# Altium PCB Discharge_B2.PcbDoc (part 2 of 2)
Units mm, origin at the board's own origin, x right, y up, seen from the top; angles counter-clockwise.
Board outline 144.02 x 78.36 mm, 4 copper layers (Top Layer, GND, PWR, Bottom Layer), stack 1.369 mm thick; 146 components, 95 nets, 476 pads, 394 vias.
Unrouted connection lines stored in the file: 8.
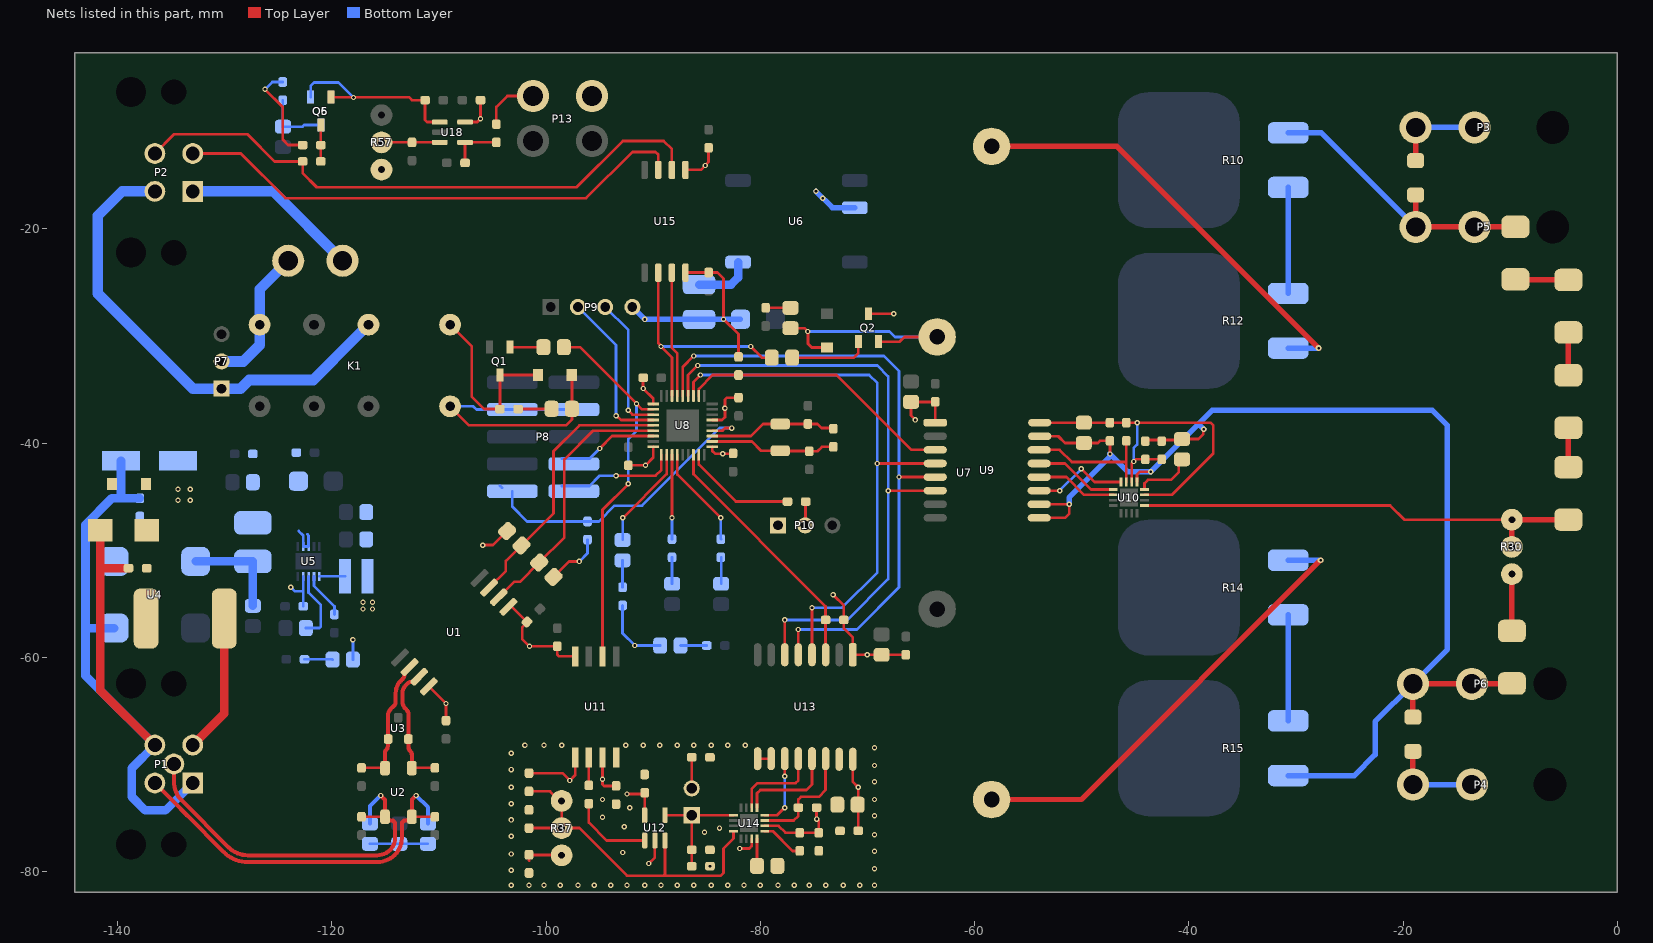
[diagram p4: the nets of this part, all layers, seen from the top]

## Via types
v1: diameter 0.5, hole 0.25, Top Layer to Bottom Layer, 392 vias
v2: diameter 0.55, hole 0.25, Top Layer to Bottom Layer, 2 vias

## Nets (pads, with @x,y where several pads share a name; then routed paths per layer and width w, separated by ;. In a path a pad name is that pad's centre, name@x,y a point inside that pad or via, vN(x,y) a via of type N, cw(c..) or ccw(c..) an arc to the next point about the centre after c; other vN are vias at no path point) (continued)
3V3: C2.2 C21.2 C22.2 C23.2 C24.2 C25.2 C30.1 C31.1 C35.2 C42.1 C43.1 C48.2 D5.A D6.A D7.K K1.1 L3.1 P8.7 P8.8 P9.4 P10.1 Q2.D R16.2 R19.2 R20.2 R21.2 R22.2 R23.2 U1.1 U8.1 U8.6 U8.19 U8.27 U9.1 U11.8 U13.1 U15.8 | length 108
  Top Layer w0.254: K1.1@-108.966,-36.576 -107.188,-38.354 -98.132,-38.354 -97.59,-37.812 D6.A@-97.59,-36.804 -97.59,-33.677 D7.K@-97.612,-33.655 ; v1(-105.918,-49.53) -104.958,-49.53 R20.2@-103.642,-48.213 ; U1.1@-103.526,-55.293 -103.481,-55.248 -103.239,-55.248 C2.2@-101.786,-56.701 -101.786,-56.768 -102.235,-57.217 -102.235,-58.293 v1(-101.551,-58.977) C35.2@-98.959,-58.977 -98.959,-59.769 -98.81,-59.918 U11.8@-97.282,-59.918 ; R19.2@-99.304,-52.498 -97.861,-51.054 v1(-96.901,-51.054) ; C25.2@-92.329,-42.086 v1(-90.727,-42.086) -89.999,-41.358 U8.27@-89.999,-40.354 ; C24.2@-90.949,-33.909 v1(-90.949,-34.908) -89.999,-35.858 U8.19@-89.999,-36.354 ; U15.8@-86.972,-24.081 C48.2@-84.836,-24.081 -83.996,-24.081 -83.439,-24.638 v1(-83.439,-28.448) -82.042,-29.845 R22.2@-82.042,-31.955 ; U8.6@-84.499,-37.854 -83.574,-37.854 -83.312,-37.592 v1(-83.312,-36.767) -83.312,-35.941 -83.136,-35.765 C22.2@-82.042,-35.765 ; U8.1@-84.497,-40.356 U8.1@-84.499,-40.354 -84.499,-40.723 -84.226,-40.996 v1(-83.528,-40.996) C23.2@-82.829,-40.996 ; v1(-73.215,-54.165) -72.214,-55.167 R23.2@-72.214,-56.515 -72.214,-57.326 -71.374,-58.166 U13.1@-71.374,-59.766 v1(-70.027,-59.766) C43.1@-68.681,-59.766 C42.1@-66.421,-59.766 ; Q2.D@-69.911,-27.94 v1(-67.564,-27.94) ; v1(-65.532,-37.846) -65.938,-37.44 C31.1@-65.938,-36.165 C30.1@-63.678,-36.165 U9.1@-63.678,-38.1
  Bottom Layer w0.254: K1.1@-108.966,-36.576 -106.807,-36.576 -106.506,-36.877 P8.7@-103.161,-36.877 P8.8@-97.411,-36.877 ; v1(-96.901,-51.054) -96.139,-50.292 R21.2@-96.139,-49.022 ; R16.2@-92.863,-55.167 -92.863,-57.759 v1(-91.72,-58.902) D5.A@-89.354,-58.902 ; L3.1@-85.725,-28.464 L3.1@-85.717,-28.456 ; C21.2@-81.855,-28.456 C21.2@-81.847,-28.448
  Bottom Layer w0.5: P9.4@-91.948,-27.305 v1(-90.789,-28.464) L3.1@-85.725,-28.464 ; L3.1@-85.717,-28.456 C21.2@-81.855,-28.456
5kW: P2.3 R60.1 U15.2 | length 55.7
  Top Layer w0.254: P2.3@-136.525,-12.97 -134.731,-11.176 -127.889,-11.176 -125.349,-13.716 R60.1@-122.731,-13.716 -122.731,-14.81 -121.412,-16.129 -97.155,-16.129 -92.837,-11.811 -89.027,-11.811 -88.265,-12.573 U15.2@-88.265,-14.504
5V: C1.2 C17.2 C19.2 C20.2 C47.2 C56.2 D4.A L2.1 P13.2 R56.2 R57.1 R59.2 U1.8 U5.4 U6.2 U15.1 U18.5 | length 30.6
  Top Layer w0.254: v1(-126.238,-6.985) -124.587,-8.636 -124.587,-11.684 -124.079,-12.192 R59.2@-122.731,-12.192 ; U1.8@-110.95,-62.717 v1(-109.347,-64.321) C1.2@-109.347,-65.913 ; U18.5@-107.569,-10.038 -106.431,-10.038 v1(-106.123,-9.73) C56.2@-106.123,-8.001 ; U15.1@-86.995,-14.504 -85.564,-14.504 v1(-85.157,-14.097) -84.836,-13.776 C47.2@-84.836,-12.446
  Bottom Layer w0.254: v1(-126.238,-6.985) -125.554,-6.301 R56.2@-124.587,-6.301 ; v1(-123.825,-53.467) -123.445,-53.847 -122.674,-53.847 ; C17.2@-122.674,-55.245 -122.674,-53.847 ; U5.4@-122.674,-52.449 -122.674,-53.847 ; D4.A@-118.037,-60.224 v1(-118.037,-58.366)
  Bottom Layer w0.5: v1(-74.803,-16.51) -73.279,-18.034 U6.2@-71.181,-18.034
  other v1: -117.094,-55.499 -116.205,-55.499 -117.094,-54.864 -116.205,-54.864 -74.168,-17.145
BOOT0: P10.2 R24.1 | length 2.2
  Top Layer w0.254: P10.2@-75.819,-47.689 -75.795,-47.664 -75.795,-45.491 R24.1@-75.77,-45.466
CAN1_F_N: C5.2 U1.6 U2.3 U3.1 | length 12.3
  Top Layer w0.254: C5.2@-117.236,-70.32 U2.3@-115.059,-70.32
  Top Layer w0.381: U2.3@-115.037,-70.342 -115.037,-68.879 cw(c-114.74,-68.879) -114.95,-68.669 ccw(c-115.416,-68.203) -114.757,-68.203 U3.1@-114.757,-67.637 -114.757,-65.387 cw(c-114.064,-65.387) -114.554,-64.897 -114.226,-64.569 ccw(c-114.659,-64.135) -114.046,-64.135 -114.046,-63.337 cw(c-112.435,-63.337) -113.574,-62.198 -113.382,-62.006 ccw(c-113.766,-61.623) -113.224,-61.623 cw(c-112.682,-61.623) -113.065,-61.24 U1.6@-112.746,-60.921
CAN1_F_P: C6.2 U1.7 U2.4 U3.2 | length 11.8
  Top Layer w0.254: U2.4@-112.537,-70.342 -112.515,-70.32 C6.2@-110.378,-70.32
  Top Layer w0.381: U2.4@-112.537,-70.342 -112.537,-69.103 ccw(c-112.971,-69.103) -112.664,-68.796 cw(c-112.198,-68.33) -112.857,-68.33 U3.2@-112.857,-67.637 -112.857,-65.314 ccw(c-113.447,-65.314) -113.03,-64.897 -113.142,-64.785 cw(c-112.491,-64.135) -113.411,-64.135 -113.411,-63.34 cw(c-112.428,-63.34) -113.123,-62.645 -112.933,-62.455 cw(c-112.55,-62.839) -112.55,-62.297 ccw(c-112.55,-61.755) -112.167,-62.138 U1.7@-111.848,-61.819
CAN1_N: C3.2 P1.5 R4.1 U2.2 | length 36.4
  Top Layer w0.254: C3.2@-117.236,-74.892 U2.2@-115.037,-74.892
  Top Layer w0.381: P1.5@-134.755,-69.969 -134.755,-71.584 ccw(c-132.215,-71.584) -134.011,-73.38 -129.649,-77.742 ccw(c-127.853,-75.946) -127.853,-78.486 -115.78,-78.486 ccw(c-115.78,-76.752) -114.554,-77.978 ccw(c-115.639,-76.893) -114.105,-76.893 -114.105,-75.603 ccw(c-114.486,-75.603) -114.216,-75.334 ccw(c-114.486,-75.603) -114.486,-75.222 -114.554,-75.222 cw(c-114.554,-74.676) -114.94,-75.062 -114.985,-75.017 cw(c-114.86,-74.892) U2.2@-115.037,-74.892 -115.037,-73.304 v1(-115.443,-72.898)
  Bottom Layer w0.381: R4.1@-116.448,-75.517 -116.448,-73.903 v1(-115.443,-72.898)
CAN1_P: C4.2 P1.4 R3.2 U2.1 | length 37.2
  Top Layer w0.254: U2.1@-112.537,-74.892 C4.2@-110.378,-74.892
  Top Layer w0.381: P1.4@-136.525,-71.739 -134.698,-73.566 cw(c-134.967,-73.835) -134.695,-73.569 -133.547,-74.742 ccw(c-133.275,-74.475) -133.545,-74.744 -133.544,-74.745 -130.097,-78.192 ccw(c-127.854,-75.949) -127.854,-79.121 -115.779,-79.121 ccw(c-115.779,-76.755) -114.106,-78.428 -114.104,-78.426 ccw(c-115.636,-76.894) -113.47,-76.894 -113.47,-75.603 cw(c-113.089,-75.603) -113.358,-75.334 cw(c-113.089,-75.603) -113.089,-75.222 -113.02,-75.222 ccw(c-113.02,-74.676) -112.634,-75.062 -112.589,-75.017 ccw(c-112.714,-74.892) U2.1@-112.537,-74.892 -112.537,-73.294 v1(-112.141,-72.898)
  Bottom Layer w0.381: v1(-112.141,-72.898) -111.039,-74 R3.2@-111.039,-75.517
CAN_RX_INDC: R18.2 U8.31 | length 9.6
  Top Layer w0.254: U8.31@-87.749,-41.104 -87.749,-42.934 v1(-83.693,-46.99)
  Bottom Layer w0.254: v1(-83.693,-46.99) -83.693,-48.947 R18.2@-83.667,-48.973
CAN_TX_INDC: R17.2 U8.30 | length 7.9
  Top Layer w0.254: v1(-88.249,-46.99) U8.30@-88.249,-41.104
  Bottom Layer w0.254: R17.2@-88.249,-48.973 v1(-88.249,-46.99)
CLK_ADC: U13.13 U14.13 | length 9.2
  Top Layer w0.254: U14.13@-80.313,-74.041 -80.313,-72.693 -80.01,-72.39 -75.692,-72.39 -75.184,-71.882 U13.13@-75.184,-69.468
CLK_HV: U9.13 U10.13 | length 7.9
  Top Layer w0.254: U9.13@-53.976,-41.91 -51.562,-41.91 -49.133,-44.339 U10.13@-47.047,-44.339
CS_ADC: R39.1 U13.14 U14.11 | length 10.7
  Top Layer w0.254: U14.11@-79.613,-75.241 -76.892,-75.241 -76.454,-74.803 R39.1@-76.454,-74.041 -76.454,-73.279 -76.2,-73.025 -74.549,-73.025 -73.914,-72.39 U13.14@-73.914,-69.468
CS_HV: R32.1 U9.14 U10.11 | length 12.5
  Top Layer w0.254: U9.14@-53.976,-40.64 -52.07,-40.64 -50.927,-41.783 -45.91,-41.783 -45.847,-41.719 ; U10.11@-45.847,-43.639 -45.847,-41.719 ; R32.1@-45.847,-39.8 -45.847,-41.719
DISCHARGE_DISABLE: P2.2 U15.3 | length 48.5
  Top Layer w0.254: P2.2@-132.985,-12.97 -128.508,-12.97 -124.333,-17.145 -96.266,-17.145 -91.948,-12.827 -89.789,-12.827 -89.535,-13.081 U15.3@-89.535,-14.504
GL_IN: P2.1 P12.1@-118.999,-22.987 | length 16.7
  Bottom Layer w1: P2.1@-132.985,-16.51 -125.476,-16.51 P12.1@-118.999,-22.987
GL_INT: K1.9 P7.2 P12.1@-124.079,-22.987 | length 13.2
  Bottom Layer w1: P7.2@-130.302,-32.385 -128.27,-32.385 -126.746,-30.861 -126.746,-25.654 P12.1@-124.079,-22.987
GL_OUT: K1.13 P2.4 P7.1 | length 44.9
  Bottom Layer w1: P2.4@-136.525,-16.51 -139.573,-16.51 -141.859,-18.796 -141.859,-26.035 -132.969,-34.925 -128.524,-34.925 -127.715,-34.116 -121.746,-34.116 -117.809,-30.179 K1.13@-116.586,-28.956
GLV+: F1.1 P1.2 | length 13
  Top Layer w0.8: P1.2@-132.985,-68.199 -130.048,-65.262 F1.1@-130.048,-56.388
GLV-: C11.1 C12.1 C13.1 D3.K P1.1 P1.3 U4.4 | length 73.3
  Top Layer w0.8: D3.K@-141.617,-48.133 -141.617,-51.689 ; C11.1@-138.987,-51.689 -141.617,-51.689 ; P1.3@-136.525,-68.199 -141.617,-63.107 -141.617,-51.689
  Bottom Layer w0.8: U4.4@-140.335,-57.277 -143.002,-57.277 ; C13.1@-139.683,-41.656 -139.683,-45.163 ; C12.1@-137.922,-45.163 -139.683,-45.163 ; P1.1@-132.985,-71.739 -135.541,-74.295 -137.414,-74.295 -138.684,-73.025 -138.684,-70.358 P1.3@-136.525,-68.199 -143.002,-61.722 -143.002,-57.277 ; -143.002,-57.277 -143.002,-47.625 -140.54,-45.163 -139.683,-45.163
GND_PDOC: C36.1 C37.1 C38.1 C39.1 C40.2 C41.2 C44.1 C45.1 C46.1 R35.1 R38.1 U11.4 U12.2 U13.9 U13.10 U13.15 U14.9 | length 7
  Top Layer w0.254: v1(-90.424,-79.248) -89.85,-78.674 U12.2@-89.85,-77.8 ; U13.9@-80.264,-69.469 U13.10@-78.994,-69.468 ; U14.9@-79.613,-76.241 -78.826,-76.241 -76.991,-78.076 C45.1@-76.327,-78.076
  other v1: -103.251,-81.28 -101.6,-81.28 -100.203,-81.28 -98.679,-81.28 -97.028,-81.28 -95.504,-81.28 -93.98,-81.28 -92.456,-81.28 -90.805,-81.28 -89.281,-81.28 -87.757,-81.28 -86.233,-81.28 -84.582,-81.28 -83.058,-81.28 -81.534,-81.28 -80.01,-81.28 -78.359,-81.28 -76.835,-81.28 -75.438,-81.28 -73.914,-81.28 -72.263,-81.28 -70.739,-81.28 -69.342,-81.28 -103.251,-79.883 -69.342,-79.756 -103.251,-78.359 -92.837,-78.232 -69.342,-78.105 -103.251,-76.708 -69.342,-76.581 -85.217,-76.327 -83.82,-75.946 -92.71,-75.819 -103.251,-75.184 -94.742,-74.93 -69.342,-74.803 -92.202,-74.041 -103.251,-73.66 -94.742,-73.279 -69.342,-73.279 -103.251,-72.136 -69.342,-71.628 -103.251,-70.485 -69.342,-70.104 -103.251,-68.961 -69.342,-68.453 -101.981,-68.199 -100.203,-68.199 -98.552,-68.199 -92.583,-68.199 -90.932,-68.199 -89.408,-68.199 -87.757,-68.199 -86.233,-68.199 -84.582,-68.199 -83.058,-68.199 -81.407,-68.199
HB: D10.K U8.29 | length 9.6
  Top Layer w0.254: v1(-92.837,-46.99) -88.749,-42.902 U8.29@-88.749,-41.104
  Bottom Layer w0.254: D10.K@-92.837,-49.025 v1(-92.837,-46.99)
HIGH_SENSE: P13.1 R58.1 | length 5.5
  Top Layer w0.254: R58.1@-104.648,-10.238 -104.648,-8.636 -103.623,-7.611 P13.1@-101.219,-7.611
"HV MC-": C28.2 C29.2 C32.1 C33.1 C34.1 P6.1 P6.2 R2.2 R15.2 R31.1 U9.9 U9.10 U9.15 U10.9 | length 119.9
  Top Layer w0.254: U9.10@-53.976,-45.72 v1(-51.181,-45.72) -51.181,-46.609 -51.562,-46.99 U9.9@-53.975,-46.99 ; U9.15@-53.925,-39.37 -52.197,-39.37 -51.567,-40 C29.2@-49.81,-40 -48.509,-40 -48.309,-39.8 C28.2@-47.371,-39.8 v1(-47.371,-41.021) ; U10.9@-44.847,-43.639 -44.845,-43.637 -44.845,-42.94 -44.577,-42.672 v1(-43.561,-42.672) ; C34.1@-44.069,-39.829 -43.969,-39.729 -42.545,-39.729 -40.74,-39.729 C32.1@-40.64,-39.629 -39.121,-39.629 -38.655,-39.163 -38.655,-38.778 v1(-38.608,-38.731) ; R31.1@-9.891,-62.484 R31.1@-9.855,-62.448
  Top Layer w0.508: R2.2@-19.089,-65.583 P6.2@-19.089,-62.484 P6.1@-13.589,-62.484 R31.1@-9.891,-62.484
  Bottom Layer w0.508: v1(-51.181,-45.72) -51.181,-45.085 -47.371,-41.275 v1(-47.371,-41.021) -45.72,-42.672 v1(-43.561,-42.672) -39.114,-38.225 ; v1(-38.608,-38.731) -39.114,-38.225 ; R15.2@-30.737,-71.042 -24.56,-71.042 -22.606,-69.088 -22.606,-66.001 P6.2@-19.089,-62.484 -15.875,-59.27 -15.875,-38.354 -17.272,-36.957 -37.846,-36.957 -38.608,-37.719 -39.114,-38.225
HV_MC+: P5.1 P5.2 R1.2 R10.1 R26.2 | length 27.8
  Top Layer w0.508: R1.2@-18.835,-16.84 P5.2@-18.835,-19.829 P5.1@-13.335,-19.829 R26.2@-9.525,-19.829
  Bottom Layer w0.508: R10.1@-30.737,-11.043 -27.621,-11.043 P5.2@-18.835,-19.829
HVVDD: C28.1 C29.1 C33.2 C34.2 R32.2 U9.16 U10.7 U10.10 | length 35.4
  Top Layer w0.254: U9.16@-53.925,-38.1 C29.1@-49.81,-38.1 C28.1@-47.371,-38.1 R32.2@-45.847,-38.1 -37.973,-38.1 -37.719,-38.354 -37.719,-40.954 -41.604,-44.839 U10.7@-44.147,-44.839 ; U10.10@-45.347,-43.639 -45.347,-41.918 v1(-45.153,-41.724) -44.958,-41.529 C34.2@-44.069,-41.529 C33.2@-42.545,-41.529
  Bottom Layer w0.254: v1(-45.153,-41.724) -45.153,-40.454 -44.831,-40.132 v1(-44.831,-38.1) v1@-44.831,-38.065
MISO_ADC: U13.11 U14.12 | length 6.8
  Top Layer w0.254: U14.12@-79.613,-74.741 -78.424,-74.741 v1(-77.724,-74.041) ; v1(-77.724,-71.12) U13.11@-77.724,-69.468
  Bottom Layer w0.254: v1(-77.724,-74.041) v1(-77.724,-71.12)
MISO_HV: U9.11 U10.12 | length 9
  Top Layer w0.254: U9.11@-53.976,-44.45 v1(-52.07,-44.45) ; v1(-50.038,-42.418) -48.817,-43.639 U10.12@-46.347,-43.639
  Bottom Layer w0.254: v1(-52.07,-44.45) v1(-50.038,-42.418)
MOSI_ADC: U13.12 U14.14 | length 8.5
  Top Layer w0.254: U14.14@-80.813,-74.041 -80.813,-72.304 -80.264,-71.755 -76.708,-71.755 -76.454,-71.501 U13.12@-76.454,-69.468
MOSI_HV: U9.12 U10.14 | length 7.6
  Top Layer w0.254: U9.12@-53.976,-43.18 -51.435,-43.18 -49.776,-44.839 U10.14@-47.047,-44.839
NetC7_2: C7.2 R3.1 R4.2 | length 5.4
  Bottom Layer w0.254: R4.2@-116.448,-77.417 C7.2@-113.712,-77.417 R3.1@-111.039,-77.417
NetC8_2: C8.2 L1.2 U4.2 | length 9.5
  Bottom Layer w0.8: U4.2@-132.715,-51.057 L1.2@-127.381,-51.057 C8.2@-127.381,-55.196
NetC11_2: C11.2 D1.A D3.A F1.2 | length 0.1
  Top Layer w0.254: D1.A@-137.348,-43.876 D1.A@-137.287,-43.815
NetC16_2: C16.2 U5.3 | length 6.6
  Bottom Layer w0.254: C16.2@-122.428,-57.277 -121.18,-57.277 -121.031,-57.128 -121.031,-55.118 -122.174,-53.975 U5.3@-122.174,-52.449
NetC18_2: C18.2 U5.2 | length 4.4
  Bottom Layer w0.254: U5.2@-121.674,-52.449 -121.674,-53.332 -119.761,-55.245 C18.2@-119.761,-56.007
NetC26_2: C26.2 R25.1 U8.2 X1.1 | length 11.8
  Top Layer w0.254: U8.2@-84.499,-39.854 -80.796,-39.854 -79.929,-40.721 X1.1@-78.149,-40.721 -78.126,-40.744 -75.461,-40.744 C26.2@-75.438,-40.767 -74.676,-40.767 -74.269,-40.36 R25.1@-73.196,-40.36
NetC27_2: C27.2 R25.2 U8.3 X1.2 | length 12
  Top Layer w0.254: U8.3@-84.499,-39.354 -80.883,-39.354 -79.75,-38.221 X1.2@-78.149,-38.221 C27.2@-75.565,-38.221 -74.682,-38.221 -74.295,-38.608 -73.248,-38.608 R25.2@-73.196,-38.66
NetC32_2: C32.2 U10.8 | length 5.5
  Top Layer w0.254: U10.8@-44.147,-44.339 -44.147,-43.766 -43.815,-43.434 -41.668,-43.434 -40.938,-42.704 -40.938,-41.827 C32.2@-40.64,-41.529
NetC36_2: C36.2 P11.2 R33.1 U12.4 U14.1 | length 11.1
  Top Layer w0.254: U12.4@-88.9,-74.741 P11.2@-86.409,-74.741 ; R33.1@-86.409,-79.502 C36.2@-86.409,-77.978 P11.2@-86.409,-74.741 ; U14.1@-82.513,-74.741 P11.2@-86.409,-74.741
NetC39_2: C39.2 R36.1 R37.1 R37.2 U12.3 U14.4 | length 33.2
  Top Layer w0.254: C39.2@-101.6,-75.946 R37.2@-98.552,-75.946 ; R36.1@-101.6,-72.517 -99.639,-72.517 R37.1@-98.75,-73.406 ; R37.1@-98.75,-73.914 -98.552,-73.914 R37.2@-98.552,-75.946 ; U12.3@-88.9,-77.103 -88.9,-80.242 -89.049,-80.391 ; U14.4@-82.513,-76.241 -82.513,-76.925 -83.439,-77.851 -83.439,-80.137 -83.693,-80.391 -89.049,-80.391 ; R37.2@-98.552,-75.946 -96.901,-75.946 -92.456,-80.391 -89.049,-80.391
NetC44_2: C44.2 U14.8 | length 2.5
  Top Layer w0.254: C44.2@-80.313,-79.476 U14.8@-80.313,-76.941
NetC55_2: C55.2 R57.2 U18.3 | length 5.4
  Top Layer w0.254: R57.2@-115.367,-11.938 C55.2@-112.522,-11.938 U18.3@-109.931,-11.938
NetC57_2: C57.2 R58.2 U18.4 | length 4.8
  Top Layer w0.254: C57.2@-107.569,-13.843 U18.4@-107.569,-11.938 R58.2@-104.648,-11.938
NetD4_K: D4.K R6.2 | length 2.6
  Bottom Layer w0.254: R6.2@-122.555,-60.198 -119.963,-60.198 D4.K@-119.937,-60.224
NetD5_K: D5.K R7.2 | length 2.4
  Bottom Layer w0.254: D5.K@-87.454,-58.902 R7.2@-85.012,-58.902
NetD6_K: D6.K R8.2 | length 3.1
  Top Layer w0.254: R8.2@-102.616,-36.83 -99.516,-36.83 D6.K@-99.49,-36.804
NetD7_A: D7.A K1.16 Q1.D R8.1 | length 17.4
  Top Layer w0.254: K1.16@-108.966,-28.956 -106.934,-30.988 -106.934,-35.687 -105.791,-36.83 R8.1@-104.316,-36.83 Q1.D@-104.316,-33.655 D7.A@-100.762,-33.655
NetD8_A: D8.A D9.K Q2.S U7.2 | length 22.7
  Top Layer w0.254: D8.A@-77.19,-29.283 -75.873,-29.283 v1(-75.565,-29.591) -75.565,-30.734 -75.209,-31.09 D9.K@-73.787,-31.09 ; Q2.S@-68.961,-30.54 -66.989,-30.54 -66.548,-30.099 U7.2@-63.5,-30.099
  Bottom Layer w0.254: v1(-75.565,-29.591) -67.945,-29.591 -67.437,-30.099 U7.2@-63.5,-30.099
NetD8_K: D8.K R13.2 | length 2.3
  Top Layer w0.254: R13.2@-79.502,-27.383 D8.K@-77.19,-27.383
NetD10_A: D10.A R16.1 | length 2.5
  Bottom Layer w0.254: R16.1@-92.863,-53.467 D10.A@-92.863,-50.952
NetD11_A: D11.A R17.1 | length 2.5
  Bottom Layer w0.254: D11.A@-88.249,-53.14 R17.1@-88.249,-50.673
NetD12_A: D12.A R18.1 | length 2.5
  Bottom Layer w0.254: D12.A@-83.667,-53.14 R18.1@-83.667,-50.673
NetD16_A: D16.A Q5.D R56.1 | length 6.3
  Bottom Layer w0.254: R56.1@-124.587,-8.001 -124.587,-10.442 D16.A@-124.561,-10.468 -122.736,-10.468 -122.585,-10.317 Q5.D@-121.031,-10.317 Q5.D@-121.182,-10.468
NetL2_2: L2.2 U5.1 | length 2.4
  Bottom Layer w0.254: U5.1@-121.174,-52.449 -118.781,-52.449 L2.2@-118.779,-52.451
NetL3_2: L3.2 U6.5 | length 5.4
  Bottom Layer w0.8: L3.2@-85.725,-25.214 -82.745,-25.214 -82.081,-24.55 U6.5@-82.081,-23.114
NetP3_1: P3.1 P3.2 R1.1 | length 8.6
  Top Layer w0.508: R1.1@-18.835,-13.64 P3.2@-18.835,-10.541
  Bottom Layer w0.508: P3.2@-18.835,-10.541 P3.1@-13.335,-10.541
NetP4_1: P4.1 P4.2 R2.1 | length 8.6
  Top Layer w0.508: P4.2@-19.089,-71.882 R2.1@-19.089,-68.783
  Bottom Layer w0.508: P4.2@-19.089,-71.882 P4.1@-13.589,-71.882
NetP11_1: P11.1 R35.2 | length 3
  Top Layer w0.254: P11.1@-86.409,-72.303 R35.2@-86.409,-69.342
NetQ1_G: Q1.G R9.2 | length 3.1
  Top Layer w0.254: Q1.G@-103.366,-31.055 R9.2@-100.252,-31.055
NetQ2_G: Q2.G R11.2 | length 7.4
  Top Layer w0.254: R11.2@-77.04,-32.03 -71.273,-32.03 -70.861,-31.618 Q2.G@-70.861,-30.54
NetQ5_G: Q5.G Q6.G R61.2 U18.1 | length 18
  Top Layer w0.254: Q6.G@-120.081,-7.717 -112.806,-7.717 -112.522,-8.001 R61.2@-111.301,-8.001 -111.301,-9.857 -111.12,-10.038 U18.1@-109.931,-10.038
  Bottom Layer w0.254: Q5.G@-121.981,-7.717 -121.981,-6.665 -121.666,-6.35 -119.38,-6.35 v1(-117.983,-7.747)
NetQ6_D: Q6.D R59.1 R60.2 | length 3.4
  Top Layer w0.254: R60.2@-121.031,-13.716 R59.1@-121.031,-12.192 Q6.D@-121.031,-10.317
NetR9_1: R9.1 U8.20 U11.6 | length 35.7
  Top Layer w0.254: R9.1@-98.352,-31.055 -96.834,-31.055 v1(-91.567,-36.322) -91.035,-36.854 U8.20@-89.999,-36.854 ; U11.6@-94.742,-59.918 -94.742,-46.228 v1(-92.329,-43.815)
  Bottom Layer w0.254: v1(-92.329,-43.815) -92.329,-39.624 -91.567,-38.862 v1(-91.567,-36.322)
NetR10_2: R10.2 R12.1 | length 9.9
  Bottom Layer w0.508: R12.1@-30.737,-26.043 R10.2@-30.737,-16.143
NetR11_1: R11.1 U8.16 U15.6 | length 22.8
  Top Layer w0.254: U15.6@-89.535,-24.104 -89.535,-30.667 -89.281,-30.921 v1(-89.281,-30.988) -88.249,-32.02 U8.16@-88.249,-35.604 ; v1(-80.899,-30.988) -79.857,-32.03 R11.1@-78.94,-32.03
  Bottom Layer w0.254: v1(-89.281,-30.988) v1(-80.899,-30.988)
NetR12_2: R12.2 U7.1 | length 41.2
  Top Layer w0.508: U7.1@-58.42,-12.319 -46.71,-12.319 v2(-27.886,-31.143)
  Bottom Layer w0.508: R12.2@-30.737,-31.143 v2(-27.886,-31.143)
NetR14_1: R14.1 U7.4 | length 43
  Top Layer w0.508: U7.4@-58.42,-73.279 -50.038,-73.279 v2(-27.701,-50.942)
  Bottom Layer w0.508: R14.1@-30.737,-50.942 v2(-27.701,-50.942)
NetR14_2: R14.2 R15.1 | length 9.9
  Bottom Layer w0.508: R15.1@-30.737,-65.942 R14.2@-30.737,-56.042
NetR19_1: R19.1 U1.2 U8.24 | length 25.1
  Top Layer w0.254: U1.2@-104.424,-54.395 -102.988,-52.959 -102.452,-52.959 R19.1@-100.648,-51.154 -98.298,-48.805 -98.298,-41.529 -95.623,-38.854 U8.24@-89.999,-38.854
NetR20_1: R20.1 U1.3 U8.23 | length 25.5
  Top Layer w0.254: U1.3@-105.322,-53.497 -103.759,-51.934 -103.759,-51.017 R20.1@-102.298,-49.557 -99.314,-46.572 -99.314,-40.767 -96.901,-38.354 U8.23@-89.999,-38.354
NetR22_1: R22.1 U8.11 U9.3 | length 26.2
  Top Layer w0.254: U8.11@-85.749,-35.604 -85.749,-34.949 -84.455,-33.655 -72.898,-33.655 -65.913,-40.64 U9.3@-63.678,-40.64
NetR23_1: R23.1 U8.34 U13.3 | length 23.8
  Top Layer w0.254: U8.34@-86.249,-41.104 -86.249,-42.91 -73.914,-55.245 U13.3@-73.914,-59.766
NetR24_2: R24.2 U8.35 | length 10.6
  Top Layer w0.254: U8.35@-85.749,-41.104 -85.749,-42.013 -82.296,-45.466 R24.2@-77.47,-45.466
NetR26_1: R26.1 R27.2 | length 4.9
  Top Layer w0.254: R26.1@-9.525,-24.729 R26.1@-9.499,-24.756
  Top Layer w0.508: R26.1@-9.499,-24.756 R27.2@-4.598,-24.756
NetR27_1: R27.1 R28.2 | length 4
  Top Layer w0.508: R28.2@-4.572,-33.672 R27.1@-4.572,-29.682
NetR28_1: R28.1 R29.2 | length 3.7
  Top Layer w0.508: R29.2@-4.572,-42.258 R28.1@-4.572,-38.572
NetR29_1: R29.1 R30.2 R30.3 U10.5 | length 42.7
  Top Layer w0.254: U10.5@-44.147,-45.839 -21.217,-45.839 -19.898,-47.158 R30.3@-9.855,-47.158
  Top Layer w0.508: R30.2@-9.855,-49.698 R30.3@-9.855,-47.158 R29.1@-4.572,-47.158
NetR30_1: R30.1 R31.2 | length 5.3
  Top Layer w0.508: R31.2@-9.855,-57.548 R30.1@-9.855,-52.238
NetR34_1: R34.1 U12.1 | length 7.7
  Top Layer w0.254: R34.1@-96.012,-73.66 -96.012,-75.438 -94.347,-77.103 U12.1@-90.8,-77.103
NetR34_2: R34.2 U11.2 | length 2.7
  Top Layer w0.254: R34.2@-96.012,-71.96 U11.2@-96.012,-69.241
NetR37_3: R37.3 R38.2 | length 3.1
  Top Layer w0.254: -101.6,-78.945 -101.576,-78.969 ; R38.2@-101.576,-78.461 R37.3@-98.577,-78.461 ; R37.3@-98.577,-78.969 R37.3@-98.552,-78.994
NetU8_12: U8.12 U9.4 U13.4 | length 54
  Top Layer w0.254: U8.12@-86.249,-35.604 -86.249,-34.303 -85.601,-33.655 v1(-85.598,-33.655) ; U13.4@-75.184,-59.766 v1(-75.184,-55.372) ; v1(-69.088,-41.91) U9.4@-63.678,-41.91
  Bottom Layer w0.254: v1(-85.598,-33.655) -69.85,-33.655 -69.088,-34.417 v1(-69.088,-41.91) -69.088,-52.07 -72.39,-55.372 v1(-75.184,-55.372)
NetU8_13: U8.13 U9.6 U13.6 | length 59.2
  Top Layer w0.254: U8.13@-86.749,-35.604 -86.749,-33.663 v1(-85.852,-32.766) ; U13.6@-77.724,-59.766 v1(-77.724,-56.515) ; v1(-68.072,-44.45) U9.6@-63.678,-44.45
  Bottom Layer w0.254: v1(-85.852,-32.766) -69.088,-32.766 -68.072,-33.782 v1(-68.072,-44.45) -68.072,-52.705 -71.882,-56.515 v1(-77.724,-56.515)
NetU8_14: U8.14 U9.5 U13.5 | length 60.9
  Top Layer w0.254: U8.14@-87.249,-35.604 -87.249,-32.893 v1(-86.233,-31.877) ; U13.5@-76.454,-59.766 v1(-76.454,-57.404) ; v1(-67.056,-43.18) U9.5@-63.678,-43.18
  Bottom Layer w0.254: v1(-86.233,-31.877) -68.453,-31.877 -67.056,-33.274 v1(-67.056,-43.18) -67.056,-53.467 -70.993,-57.404 v1(-76.454,-57.404)
NetU8_15: U8.15 U15.7 | length 11.7
  Top Layer w0.254: U15.7@-88.265,-24.104 -88.265,-31.115 -87.749,-31.631 U8.15@-87.749,-35.604
NRST: P8.1 R21.1 U8.4 | length 28.3
  Top Layer w0.254: U8.4@-84.499,-38.854 -83.558,-38.854 -83.312,-38.608 v1(-82.677,-38.608)
  Bottom Layer w0.254: P8.1@-104.304,-43.989 P8.1@-104.125,-44.168 ; P8.1@-103.161,-44.497 -103.161,-45.937 -101.776,-47.322 R21.1@-96.139,-47.322 -95.074,-47.322 -93.599,-45.847 -91.059,-45.847 -83.82,-38.608 v1(-82.677,-38.608)
SWCLK: P8.2 U8.28 | length 11.3
  Top Layer w0.254: v1(-93.472,-43.053) -89.789,-43.053 -89.249,-42.513 U8.28@-89.249,-41.104
  Bottom Layer w0.254: P8.2@-98.554,-43.989 -98.539,-44.004 -95.947,-44.004 -94.996,-43.053 v1(-93.472,-43.053)
SWDIO: P8.4 U8.25 | length 9.4
  Top Layer w0.254: v1(-94.996,-40.513) -93.837,-39.354 U8.25@-89.999,-39.354
  Bottom Layer w0.254: P8.4@-98.554,-41.449 -95.932,-41.449 v1(-94.996,-40.513)
UART_RX: P9.2 U8.22 | length 15.3
  Top Layer w0.254: v1(-93.472,-37.465) -93.405,-37.465 -93.016,-37.854 U8.22@-89.999,-37.854
  Bottom Layer w0.254: P9.2@-97.028,-27.305 -93.472,-30.861 v1(-93.472,-37.465)
UART_TX: P9.3 U8.21 | length 13
  Top Layer w0.254: v1(-92.329,-36.957) -91.932,-37.354 U8.21@-89.999,-37.354
  Bottom Layer w0.254: P9.3@-94.488,-27.305 -92.329,-29.464 v1(-92.329,-36.957)
VBAT_D: C12.2 C13.2 D1.K U4.1
  other v1: -134.366,-45.339 -133.223,-45.339 -134.366,-44.323 -133.223,-44.323
VBAT_F: C9.2 C10.2 C14.2 C15.2 L1.1 U5.7 U5.8 | length 3.3
  Bottom Layer w0.254: -123.099,-48.224 -122.674,-48.649 U5.7@-122.674,-49.659 U5.8@-122.174,-49.659 -122.174,-48.641 -122.301,-48.514
VDD_PDOC: C37.2 C38.2 C40.1 C41.1 C45.2 C46.2 R33.2 R36.2 R39.2 U11.1 U11.3 U12.5 U13.16 U14.7 U14.10 | length 30.9
  Top Layer w0.254: R36.2@-101.6,-70.817 -98.474,-70.817 v1(-97.79,-71.501) -97.282,-70.993 U11.1@-97.282,-69.241 ; U11.3@-94.742,-69.241 v1(-94.742,-71.374) -94.742,-71.86 -94.593,-72.009 C37.2@-93.472,-72.009 ; v1(-92.456,-72.771) -90.932,-72.771 C38.2@-90.805,-72.644 -90.802,-72.647 U12.5@-90.802,-74.8 ; U12.5@-90.802,-75.435 U12.5@-90.8,-75.438 ; v1(-81.915,-77.851) -81.026,-77.851 -80.813,-77.638 U14.7@-80.813,-76.941 ; U14.10@-79.613,-75.741 -78.31,-75.741 -77.675,-76.376 C45.2@-76.327,-76.376 C46.2@-74.549,-76.376 -74.549,-75.311 v1(-74.754,-75.106) R39.2@-74.754,-74.041 ; U13.16@-71.374,-69.519 -71.374,-71.628 v1(-70.866,-72.136) C40.1@-70.866,-76.2
  other v1: -84.709,-79.502
pads on no net: K1.4 K1.6 K1.8 K1.11 P1.6 P1.7 P1.8 P1.9 P2.6 P2.7 P2.8 P2.9 P3. P4. P5. P6. P7.3 P8.3 P8.9 P8.10 P13.4 R10. R12. R14. R15. U5.6 U6.8 U8.7 U8.8 U8.9 U8.10 U8.17 U8.32 U8.33 U9.7 U10.1 U10.2 U10.3 U10.4 U10.6 U10.15 U10.16 U10.17 U13.7 U14.2 U14.3 U14.5 U14.6 U14.15 U14.16 U14.17

## Polygon pours and split planes (outlines as drawn)
0V_(ISO) on Top Layer "5V_TOP_1" (solid, pour order 76): -110.109,-53.975 -110.109,-26.924 -105.537,-22.352 -64.516,-22.352 -61.849,-25.019 -61.849,-61.595 -102.489,-61.595
0V on Top Layer "5V_TOP_1" (solid, pour order 83): -67.691,-18.923 -67.691,-3.556 -144.018,-3.556 -144.018,-81.915 -106.68,-81.915 -106.68,-62.103 -113.792,-54.991 -113.792,-25.781 -106.934,-18.923
VBAT_D on Top Layer "5V_TOP_1" (solid, pour order 73): -140.081,-44.577 -141.097,-44.577 -141.224,-44.45 -141.224,-40.894 -140.589,-40.259 -135.001,-40.259 -132.461,-42.799 -132.461,-45.974 -135.001,-45.974 -135.001,-42.799 -135.89,-41.91 -139.573,-41.91 -139.954,-42.291 -139.954,-44.45
NetC11_2 on Top Layer "5V_TOP_1" (solid, pour order 71): -136.144,-59.182 -138.303,-59.182 -138.557,-58.928 -138.557,-53.34 -137.795,-52.578 -137.795,-50.546 -138.43,-49.911 -138.43,-43.18 -138.303,-43.053 -136.652,-43.053 -136.398,-43.307 -136.017,-43.307 -136.017,-47.244 -136.017,-59.055
GND_PDOC on Top Layer "5V_TOP_1" (solid, pour order 62): -68.707,-67.691 -68.707,-81.915 -104.013,-81.915 -104.013,-68.707 -102.997,-67.691
0V_(ISO) on Bottom Layer "5V_TOP_1" (solid, pour order 77): -110.109,-53.975 -110.109,-26.924 -105.537,-22.352 -64.516,-22.352 -61.849,-25.019 -61.849,-61.595 -102.489,-61.595
0V on Bottom Layer "5V_TOP_1" (solid, pour order 80): -67.691,-18.923 -67.691,-3.556 -144.018,-3.556 -144.018,-81.915 -106.68,-81.915 -106.68,-62.103 -113.792,-54.991 -113.792,-25.781 -106.934,-18.923
5V on Bottom Layer "5V_TOP_1" (solid, pour order 75): -117.475,-45.72 -117.475,-55.753 -117.348,-55.88 -115.697,-55.88 -115.57,-55.753 -115.57,-45.72 -115.697,-45.593 -117.348,-45.593
VBAT_F on Bottom Layer "5V_TOP_1" (solid, pour order 74): -129.159,-48.641 -129.286,-48.514 -129.286,-46.609 -128.143,-45.466 -128.143,-40.259 -127.889,-40.005 -122.936,-40.005 -122.682,-40.259 -122.682,-45.847 -122.047,-46.482 -122.047,-50.038 -122.809,-50.038 -122.809,-48.768 -122.936,-48.641
VBAT_D on Bottom Layer "5V_TOP_1" (solid, pour order 72): -136.271,-40.64 -136.144,-40.513 -132.588,-40.513 -132.461,-40.64 -132.461,-45.847 -134.62,-48.006 -137.922,-48.006 -138.938,-49.022 -138.938,-52.197 -139.192,-52.451 -141.732,-52.451 -141.986,-52.197 -141.986,-49.657 -141.605,-49.276 -141.605,-48.641 -139.192,-46.228 -136.779,-46.228 -136.271,-45.72
GND_PDOC on Bottom Layer "5V_TOP_1" (solid, pour order 68): -68.707,-67.691 -68.707,-81.915 -104.013,-81.915 -104.013,-68.707 -102.997,-67.691
0V_(ISO) on GND "5V_TOP_1" (solid, pour order 78): -110.109,-53.975 -110.109,-26.924 -105.537,-22.352 -64.516,-22.352 -61.849,-25.019 -61.849,-61.595 -102.489,-61.595
0V on GND "5V_TOP_1" (solid, pour order 81): -67.691,-18.923 -67.691,-3.556 -144.018,-3.556 -144.018,-81.915 -106.68,-81.915 -106.68,-62.103 -113.792,-54.991 -113.792,-25.781 -106.934,-18.923
GND_PDOC on GND "5V_TOP_1" (solid, pour order 64): -68.707,-67.691 -68.707,-81.915 -104.013,-81.915 -104.013,-68.707 -102.997,-67.691
3V3 on PWR "5V_TOP_1" (solid, pour order 79): -108.712,-53.213 -108.712,-27.686 -104.775,-23.749 -65.278,-23.749 -63.119,-25.908 -63.119,-60.198 -101.727,-60.198
5V on PWR "5V_TOP_1" (solid, pour order 82): -69.342,-17.526 -69.342,-4.826 -142.494,-4.826 -142.494,-80.772 -107.95,-80.772 -107.95,-62.865 -115.189,-55.626 -115.189,-24.638 -108.077,-17.526
VDD_PDOC on PWR "5V_TOP_1" (solid, pour order 65): -69.977,-68.707 -69.977,-80.645 -102.616,-80.645 -102.616,-68.707

## Other copper
Top Layer:
  pour cut-out: -81.182,-37.494 -80.42,-37.494 -78.105,-35.179 -73.025,-35.179 -71.501,-36.703 -71.501,-41.783 -73.279,-43.561 -78.105,-43.561 -78.359,-43.307 -79.121,-43.307 -78.105,-44.323 -73.152,-44.323 -70.866,-42.037 -70.866,-36.322 -72.898,-34.29 -77.978,-34.29 -80.137,-36.449
  pour cut-out: -80.01,-40.259 -80.01,-38.862 -72.5,-38.862 -72.488,-38.85 -72.488,-40.17

## Silkscreen, mask and mechanical layers (free items; w line width, h text height)
Top Overlay:
  drawing of 59 lines, arcs and shapes, not listed
  text "HV TEST POINT +" at -19.558,-7.239 h1.2
  text "HIGH VOLTAGE" at -21.59,-16.129 h1 r90
  text "HV MC +" at -19.558,-24.765 h1.2
  text "HV MC -" at -19.939,-59.055 h1.2
  text "HIGH VOLTAGE" at -21.717,-68.072 h1 r90
  text "Team Swinburne" at -47.921,-76.072 h3.05
  text "HV TEST POINT -" at -19.939,-77.216 h1.2
  text "Formula SAE" at -47.921,-77.596 h1.78
  text "Discharge B3 Sample" at -47.886,-78.585 h1.02
  text "28/03/2024 - L.D" at -47.886,-79.728 h1.02
Bottom Overlay:
  region: -27.261,-53.48 -25.571,-53.962 -25.773,-53.449 -24.711,-53.753 -24.711,-53.981 -24.312,-53.582 -24.711,-53.183 -24.711,-53.366 -26.305,-52.865 -25.986,-53.502 -27.261,-52.865
  region: -27.134,-23.508 -25.444,-23.99 -25.646,-23.477 -24.584,-23.781 -24.584,-24.009 -24.185,-23.61 -24.584,-23.211 -24.584,-23.394 -26.178,-22.893 -25.859,-23.53 -27.134,-22.893
  lines w0.254: -106.68,-81.915 -106.68,-62.103 -112.268,-56.515 -113.792,-54.991 -113.792,-26.797 -113.792,-25.781 -106.934,-18.923 -67.691,-18.923 -67.691,-3.556 ; -104.013,-81.915 -104.013,-81.407 -104.013,-68.707 -102.997,-67.691 -68.707,-67.691 -68.707,-81.788 ; -61.849,-56.896 -61.849,-61.595 -66.04,-61.595 -102.489,-61.595 -110.109,-53.975 -110.109,-48.768 -110.109,-26.924 -105.537,-22.352 -64.516,-22.352 -61.849,-25.019 -61.849,-28.702 ; -61.849,-54.229 -61.849,-31.496 ; -61.116,-3.556 -61.116,-12.671 -60.96,-12.827 -55.753,-18.034 -55.753,-67.691 -60.452,-72.39 -60.452,-73.279 -60.452,-81.788
  lines w0.486: -23.797,-56.632 -23.797,-50.153 ; -23.797,-56.542 -29.286,-53.325 -23.797,-50.063 ; -23.67,-26.66 -23.67,-20.181 ; -23.67,-26.57 -29.159,-23.353 -23.67,-20.091
  text "5kW REF ADJUST" at -104.14,-6.096 h1
  text "CURRENT SENSE" at -78.867,-6.477 h1
  text "HV TEST POINT +" at -1.397,-16.002 h1.2
  text "HIGH VOLTAGE" at -21.59,-17.653 h1 r90
  text "SPECIAL" at -129.54,-18.923 h1.2 r270
  text "HVD" at -111.506,-20.447 h1
  text "HV MC +" at -5.588,-24.765 h1.2
  text "UART" at -101.473,-27.94 h1
  text "TSAL REF ADJUST" at -19.939,-44.704 h1.2
  text "BOOT" at -72.009,-45.593 h1
  text "JTAG" at -104.775,-46.99 h1
  text "HIGH VOLTAGE" at -21.717,-47.879 h1 r90
  text "PC13" at -91.313,-55.626 h1 r270
  text "CAN TX" at -86.614,-55.626 h1 r270
  text "CAN RX" at -81.788,-55.626 h1 r270
  text "BIAS ADJUST" at -1.397,-57.531 h1.2
  text "HV MC -" at -7.239,-67.945 h1.2
  text "UNIVERSAL" at -129.54,-75.184 h1.2 r270
  text "HV TEST POINT -" at -1.397,-77.216 h1.2
  text "CAN TERM" at -109.728,-79.883 h1
  text "PDOC REF ADJUST" at -81.28,-80.01 h1
Mechanical 1:
  lines w0.254: 0,-3.556 0,-5.461 0,-68.199 0,-81.915 -144.018,-81.915 -144.018,-3.556 -110.109,-3.556 -43.053,-3.556 0,-3.556 ; 0,-3.556 0,-3.556 ; -152.4,-7.747 -152.4,-7.747

## Text inside footprints (layer, text, board x,y; h text height)
C13: Bottom Overlay "+" at -142.629,-45.156 h1.52 r180